# Altium PCB VAMoS Rev D.PcbDoc (part 1 of 4) (continued)
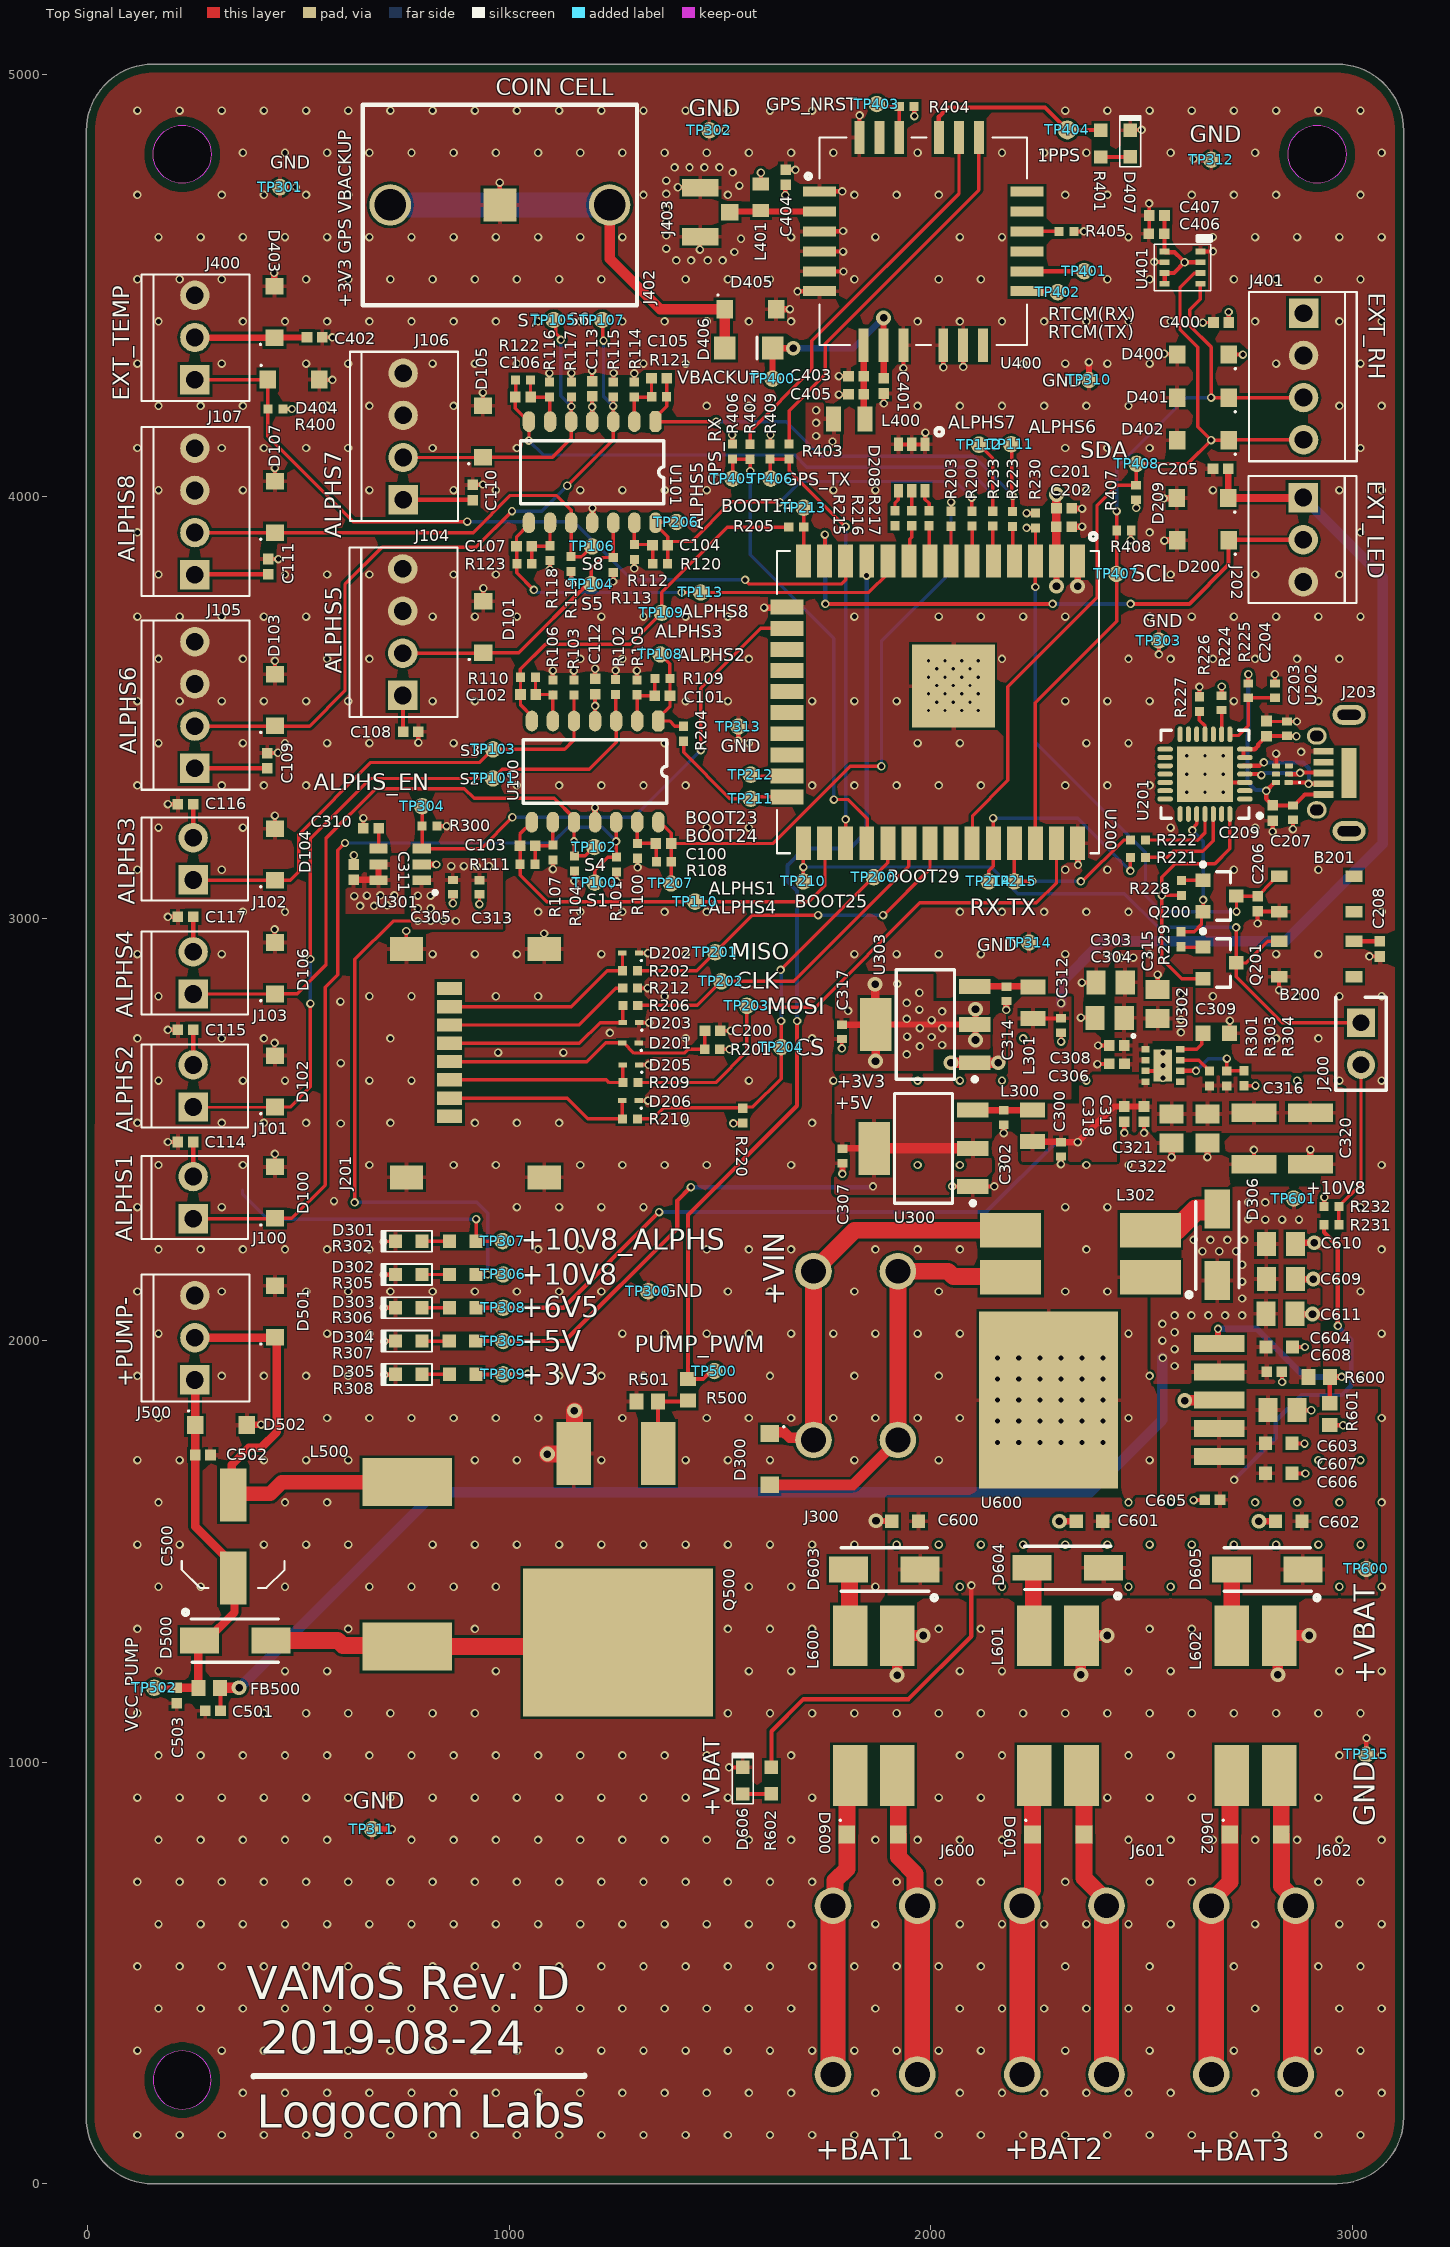
[diagram p0: Top Signal Layer view]
## Components (designator, comment, footprint, x,y, rotation, side; value= is the part's Value field where it differs from the comment)
B200 "Button C&K PTS815 SJG 250 SMTR LFS" "PTS 815" 2914.85,2904.08 r0 top
B201 "Button C&K PTS815 SJG 250 SMTR LFS" "PTS 815" 2914.85,3058.08 r0 top
C100 "4.7uF" CAPC1005X06N 1366.29,3177.67 r0 top value=100nF
C101 "4.7uF" CAPC1005X06N 1363.65,3528.19 r0 top value=100nF
C102 "4.7uF" CAPC1005X06N 1045.28,3531.06 r180 top value=100nF
C103 "4.7uF" CAPC1005X06N 1044.14,3172.25 r180 top value=100nF
C104 "4.7uF" CAPC1005X06N 1358.35,3885.15 r0 top value=100nF
C105 "4.7uF" CAPC1005X06N 1356,4281.17 r0 top value=100nF
C106 "4.7uF" CAPC1005X06N 1033.28,4236.48 r180 top value=100nF
C107 "4.7uF" CAPC1005X06N 1035.9,3882.32 r180 top value=100nF
C108 "4.7uF" CAPC1005X06N 767,3443 r180 top value=100nF
C109 "4.7uF" CAPC1005X06N 427,3374.11 r270 top value=100nF
C110 "4.7uF" CAPC1005X06N 914,4010.11 r270 top value=100nF
C111 "4.7uF" CAPC1005X06N 429,3834.11 r270 top value=100nF
C112 "4.7uF" CAPC1005X06N 1204,3550.11 r270 top value=100nF
C113 "4.7uF" CAPC1005X06N 1197,4256 r270 top value=100nF
C114 "4.7uF" CAPC1005X06N 233,2470 r0 top value=100nF
C115 "4.7uF" CAPC1005X06N 233,2736 r0 top value=100nF
C116 "4.7uF" CAPC1005X06N 233,3271 r0 top value=100nF
C117 "4.7uF" CAPC1005X06N 233,3004 r0 top value=100nF
C200 "4.7uF" CAPC1005X06N 1482.88,2733.83 r0 top value=100nF
C201 "CAP: GENERAL" CAPC1005X06N 2316.28,3972.39 r180 top value=10u
C202 "4.7uF" CAPC1005X06N 2316,3929 r0 top value=100nF
C203 "4.7uF" C1005[0402] 2844.85,3450.08 r270 top value=4u7
C204 "4.7uF" CAPC1005X06N 2795.85,3450.15 r90 top value=100nF
C205 "4.7uF" CAPC1005X06N 2687.11,4066 r180 top value=100nF
C206 "4.7uF" CAPC1005X06N 2774.85,3034.97 r270 top value=100nF
C207 "4.7uF" C1005[0402] 2858.85,3251.08 r90 top value=4u7
C208 "4.7uF" CAPC1005X06N 3064.85,2928.08 r270 top value=100nF
C209 "4.7uF" CAPC1005X06N 2810.85,3250.08 r270 top value=100nF
C300 "4.7uF" C1005[0402] 2308.53,2452.65 r90 top value=4u7
C302 "4.7uF" C1005[0402] 2173,2528.07 r90 top value=4u7
C303 "" CAPC2012X14N 2426.58,2848.7 r180 top value=22u
C304 "" CAPC2012X14N 2424.16,2764.5 r180 top value=22u
C305 "4.7uF" C1005[0402] 866.85,3074.15 r90 top value=4u7
C306 "4.7uF" CAPC1005X06N 2441.12,2655.24 r180 top value=100nF
C307 "4.7uF" C1005[0402] 1790.68,2436.89 r90 top value=4u7
C308 "4.7uF" CAPC1005X06N 2440.85,2698.86 r180 top value=15n
C309 "3.3nF" C1608[0603] 2676.85,2727.86 r180 top value=3n3
C310 "4.7uF" CAPC1005X06N 672.74,3214.08 r180 top value=DNP
C311 "4.7uF" CAPC1005X06N 632,3110 r90 top value=100nF
C312 "4.7uF" C1005[0402] 2308.98,2746.25 r90 top value=4u7
C313 "4.7uF" C1005[0402] 929.85,3074.08 r90 top value=4u7
C314 "4.7uF" C1005[0402] 2179.13,2821.43 r90 top value=4u7
C315 "" CAPC2012X14N 2537.8,2797.52 r90 top value=22u
C316 "4.7uF" C3225[1210]_Tall 2766.15,2478.62 r270 top value=100u
C317 "4.7uF" C1005[0402] 1788.98,2731.18 r90 top value=4u7
C318 "4.7uF" CAPC1005X06N 2458.85,2536.08 r270 top value=100nF
C319 "4.7uF" CAPC1005X06N 2505.46,2536.08 r270 top value=15n
C320 "4.7uF" C3225[1210]_Tall 2900.01,2478.62 r270 top value=100u
C321 "" CAPC2012X14N 2571.2,2502.24 r270 top value=22u
C322 "" CAPC2012X14N 2655.91,2502.24 r270 top value=22u
C400 "4.7uF" CAPC1005X06N 2688.32,4413 r0 top value=1u
C401 "4.7uF" CAPC1005X06N 1888.54,4262.91 r90 top value=1u
C402 "4.7uF" CAPC1005X06N 539,4378 r180 top value=1u
C403 "4.7uF" CAPC1005X06N 1823.1,4286.09 r0 top value=1u
C404 "4.7uF" CAPC1005X06N 1656.25,4757.39 r90 top value=1u
C405 "4.7uF" CAPC1005X06N 1823.1,4243.09 r0 top value=100nF
C406 "4.7uF" CAPC1005X06N 2535.08,4623.63 r0 top value=100nF
C407 "4.7uF" CAPC1005X06N 2535.98,4666.89 r0 top value=100nF
C500 "EEE-1HA470XAP" "Panasonic S-V D8" 346,1535 r0 top
C501 "4.7uF" CAPC1005X06N 297.89,1121.7 r180 top value=100nF
C502 "4.7uF" CAPC1005X06N 274,1728 r0 top value=100nF
C503 "4.7uF" CAPC1005X06N 212,1157.59 r270 top value=100nF
C600 "1uF" "C1608[0603] small" 1939.24,1570.65 r0 top value=1u
C601 "1uF" "C1608[0603] small" 2376.25,1570.65 r0 top value=1u
C602 "1uF" "C1608[0603] small" 2848.69,1570.65 r0 top value=1u
C603 "" CAPC2012X14N 2833.93,1834.43 r0 top value=22u
C604 "1uF" "C1608[0603] small" 2826.06,1984.03 r180 top value=1u
C605 "4.7uF" CAPC1005X06N 2667.59,1621.83 r180 top value=100nF
C606 "1uF" "C1608[0603] small" 2825.07,1684.82 r180 top value=1u
C607 "1uF" "C1608[0603] small" 2825.07,1755.69 r180 top value=1u
C608 "4.7uF" CAPC1005X06N 2814.24,1924.98 r0 top value=100nF
C609 "" CAPC2012X14N 2829.99,2145.45 r0 top value=22u
C610 "" CAPC2012X14N 2829.99,2228.13 r0 top value=22u
C611 "" CAPC2012X14N 2829.01,2062.77 r0 top value=22u
D100 "5V TVS" "NXP PTVSxS1UR-Series (SOD123W)" 445,2350 r90 top
D101 "5V TVS" "NXP PTVSxS1UR-Series (SOD123W)" 939,3691 r90 top
D102 "5V TVS" "NXP PTVSxS1UR-Series (SOD123W)" 445,2614 r90 top
D103 "5V TVS" "NXP PTVSxS1UR-Series (SOD123W)" 445,3518 r90 top
D104 "5V TVS" "NXP PTVSxS1UR-Series (SOD123W)" 445,3152 r90 top
D105 "5V TVS" "NXP PTVSxS1UR-Series (SOD123W)" 938,4155 r90 top
D106 "5V TVS" "NXP PTVSxS1UR-Series (SOD123W)" 445,2882 r90 top
D107 "5V TVS" "NXP PTVSxS1UR-Series (SOD123W)" 445,3976 r90 top
D200 "5V TVS" "NXP PTVSxS1UR-Series (SOD123W)" 2645,3897 r180 top
D201 "ESD7951ST5GOSCT-ND" SODFL100X40-2N 1288,2705 r180 top
D202 "ESD7951ST5GOSCT-ND" SODFL100X40-2N 1288.27,2918 r180 top
D203 "ESD7951ST5GOSCT-ND" SODFL100X40-2N 1289.27,2753 r180 top
D205 "ESD7951ST5GOSCT-ND" SODFL100X40-2N 1289,2653 r180 top
D206 "ESD7951ST5GOSCT-ND" SODFL100X40-2N 1288,2568 r180 top
D208 "VLMRGB6112" VLMRGB6112 1955,4069 r90 top
D209 "5V TVS" "NXP PTVSxS1UR-Series (SOD123W)" 2644,3997 r180 top
D300 "12V TVS" "NXP PTVSxS1UR-Series (SOD123W)" 1618,1718 r270 top
D301 "SMLE12BC7TT86" LED_0603 762.35,2234.81 r180 top
D302 "LED Green" LED_0603 762.35,2155.87 r180 top
D303 "LED Green" LED_0603 762.35,2076.94 r180 top
D304 "LED Green" LED_0603 762.35,1998 r180 top
D305 "LED Green" LED_0603 762.35,1919.06 r180 top
D306 "MURA260T3G" "Diode SMA DIOM5226X240N" 2679.4,2226.16 r90 top
D400 "3.3V TVS" "NXP PTVSxS1UR-Series (SOD123W)" 2645.32,4337 r180 top
D401 "3.3V TVS" "NXP PTVSxS1UR-Series (SOD123W)" 2645,4235 r180 top
D402 "3.3V TVS" "NXP PTVSxS1UR-Series (SOD123W)" 2645,4134 r180 top
D403 "3.3V TVS" "NXP PTVSxS1UR-Series (SOD123W)" 444,4438 r90 top
D404 "3.3V TVS" "NXP PTVSxS1UR-Series (SOD123W)" 489,4278 r0 top
D405 "3.3V TVS" "NXP PTVSxS1UR-Series (SOD123W)" 1572.16,4444.71 r0 top
D406 "1N4148W-FDICT-ND" SOD-123FL_TVS 1568.16,4352.71 r0 top
D407 "LED Green" LED_0603 2473,4837.75 r90 top
D500 "MURA260T3G" "Diode SMA DIOM5226X240N" 351,1288 r0 top
D501 "12V TVS" "NXP PTVSxS1UR-Series (SOD123W)" 445,2068 r90 top
D502 "12V TVS" "NXP PTVSxS1UR-Series (SOD123W)" 317,1799 r0 top
D600 "12V TVS" "NXP PTVSxS1UR-Series (SOD123W)" 1862.12,828.26 r0 top
D601 "12V TVS" "NXP PTVSxS1UR-Series (SOD123W)" 2302.12,828.26 r0 top
D602 "12V TVS" "NXP PTVSxS1UR-Series (SOD123W)" 2770.12,828.26 r0 top
D603 "MURA260T3G" "Diode SMA DIOM5226X240N" 1890.03,1456.47 r180 top
D604 "MURA260T3G" "Diode SMA DIOM5226X240N" 2325.07,1460.41 r180 top
D605 "MURA260T3G" "Diode SMA DIOM5226X240N" 2797.51,1456.47 r180 top
D606 "LED Green" LED_0603 1554,955.76 r90 top
FB500 "BKP1608HS121-T" RESC1608X06N 289,1175.7 r0 top
J100 "22-23-2021" 22-23-2021 251.06,2338 r90 top
J101 "22-23-2021" 22-23-2021 251.06,2602.92 r90 top
J102 "22-23-2021" 22-23-2021 251.06,3141.45 r90 top
J103 "22-23-2021" 22-23-2021 251.06,2870.98 r90 top
J104 "22-23-2041" 22-23-2041 748,3679 r90 top
J105 "22-23-2041" 22-23-2041 255,3506 r90 top
J106 "22-23-2041" 22-23-2041 749,4143 r90 top
J107 "22-23-2041" 22-23-2041 255,3965 r90 top
J200 "PRPC002SAAN-RC" "HDR_1x2_0.100\"" 3020,2753 r270 top
J201 "472192001" SD-47219-001 859.28,2660.73 r270 top
J202 "22-23-2031" 22-23-2031 2883,3898 r270 top
J203 "UJ2-MIBH2-4" UJ2-MIBH2-4-SMT 2930.83,3293.9 r180 top
J300 "1790283" "5.08MM 2POS TERMBLOCK" 1821.93,1963.56 r180 top
J400 "22-23-2031" 22-23-2031 255,4377.57 r90 top
J401 "22-23-2041" 22-23-2041 2884,4285 r270 top
J402 "Keystone 2997" "2997 11.6MM COIN CELL" 978.35,4691.83 r180 top
J403 "uFL Connector" CONUFL001-SMD-T 1463.34,4674.72 r90 top
J500 "22-23-2031" 22-23-2031 255,2006 r90 top
J600 "1790283" "5.08MM 2POS TERMBLOCK" 1868.12,459.26 r180 top
J601 "1790283" "5.08MM 2POS TERMBLOCK" 2316.62,459.26 r180 top
J602 "1790283" "5.08MM 2POS TERMBLOCK" 2765.12,459.26 r180 top
L300 "MH2029" L2012[0805] 2241.53,2508.65 r90 top
L301 "MH2029" L2012[0805] 2242.13,2800.54 r90 top
L302 "CM3421Y600R-10" CM3421Y600R-10 2355,2205 r0 top
L400 "MH2029" L2012[0805] 1807.1,4184.09 r0 top
L401 "33nH" L1608[0603] 1597.2,4710.15 r90 top value=33n
L500 "7447709471" "WE-PD 1210" 758.29,1468.65 r180 top value=470u
L600 "CM3421Y600R-10" CM3421Y600R-10 1864.44,1133.64 r90 top
L601 "CM3421Y600R-10" CM3421Y600R-10 2301.45,1133.64 r90 top
L602 "CM3421Y600R-10" CM3421Y600R-10 2769.95,1133.64 r90 top
Q200 "SS8050-G" ONSC-SOT-23-3-318-08_V 2684.85,3053.08 r0 top
Q201 "SS8050-G" ONSC-SOT-23-3-318-08_V 2684.85,2894.76 r0 top
Q500 "IRL540SPBF" D2PAK 1253.29,1388.65 r270 top
R100 "1K0" RESC1005X03N 1305.01,3160.43 r90 top value=1k
R101 "4R99" RESC1005X03N 1255.01,3127.72 r90 top
R102 "4R99" RESC1005X03N 1252.86,3548.51 r270 top
R103 "4R99" RESC1005X03N 1154,3548 r270 top
R104 "4R99" RESC1005X03N 1155.01,3130.72 r90 top
R105 "1K0" RESC1005X03N 1303.65,3548.19 r270 top value=1k
R106 "1K0" RESC1005X03N 1103.84,3547.65 r270 top value=1k
R107 "1K0" RESC1005X03N 1104.48,3156.7 r90 top value=1k
R108 "22K" RESC1005X03N 1367.01,3134.43 r0 top value=22k
R109 "22K" RESC1005X03N 1363.65,3569.19 r0 top value=22k
R110 "22K" RESC1005X03N 1045,3572 r180 top value=22k
R111 "22K" RESC1005X03N 1044.14,3128.5 r180 top value=22k
R112 "1K0" RESC1005X03N 1297.24,3869.15 r90 top value=1k
R113 "4R99" RESC1005X03N 1247.24,3838.15 r90 top
R114 "1K0" RESC1005X03N 1297,4254.17 r270 top value=1k
R115 "4R99" RESC1005X03N 1247.17,4254 r270 top
R116 "1K0" RESC1005X03N 1096,4254 r270 top value=1k
R117 "4R99" RESC1005X03N 1148,4254 r270 top
R118 "1K0" RESC1005X03N 1097.24,3866.15 r90 top value=1k
R119 "4R99" RESC1005X03N 1147.24,3840.15 r90 top
R120 "22K" RESC1005X03N 1358.35,3841.23 r0 top value=22k
R121 "22K" RESC1005X03N 1356,4237.17 r0 top value=22k
R122 "22K" RESC1005X03N 1033.28,4277 r180 top value=22k
R123 "22K" RESC1005X03N 1036.24,3841.15 r180 top value=22k
R200 "RES: GENERAL" RESC1005X03N 2098,3948 r90 top value=0R
R201 "RES: GENERAL" RESC1005X03N 1481.88,2689.83 r180 top value=0R
R202 "RES: GENERAL" RESC1005X03N 1286.98,2876 r180 top value=0R
R203 "RES: GENERAL" RESC1005X03N 2048,3947.72 r90 top value=0R
R204 "RES: GENERAL" RESC1005X03N 1413.85,3438.08 r90 top value=0R
R205 "RES: GENERAL" RESC1005X03N 1681,3928 r180 top value=0R
R206 "RES: GENERAL" RESC1005X03N 1287.58,2794 r180 top value=0R
R209 "RES: GENERAL" RESC1005X03N 1288,2611 r180 top value=0R
R210 "RES: GENERAL" RESC1005X03N 1287,2525 r180 top value=0R
R212 "RES: GENERAL" RESC1005X03N 1287.27,2835 r0 top value=0R
R215 "1K0" RESC1005X03N 1915,3949 r90 top value=1k
R216 "3K16" RESC1005X03N 1955,3949 r90 top value=3k16
R217 "4K53" RESC1005X03N 1996,3949 r90 top value=4k53
R220 "10K" RESC1005X03N 1554.14,2532.47 r270 top value=10k
R221 "RES: GENERAL" RESC1005X03N 2491,3145 r180 top value=0R
R222 "RES: GENERAL" RESC1005X03N 2491,3186 r180 top value=0R
R223 "RES: GENERAL" RESC1005X03N 2194,3947 r270 top value=0R
R224 "22k1" R1005[0402] 2752.68,3540.08 r270 top
R225 "47k5" R1005[0402] 2815.85,3540.08 r270 top
R226 "10K" R1005[0402] 2689.68,3511.08 r270 top value=2k
R227 "RES: GENERAL" RESC1005X03N 2636.85,3508.08 r90 top value=DNP
R228 "RES: GENERAL" RESC1005X03N 2594.85,3072.08 r270 top value=10k
R229 "RES: GENERAL" RESC1005X03N 2592.85,2950.8 r90 top value=10k
R230 "RES: GENERAL" RESC1005X03N 2248.28,3943.39 r270 top value=10k
R231 "RES: GENERAL" RESC1005X03N 2950,2274 r0 top value=6k98
R232 "RES: GENERAL" RESC1005X03N 2950,2317.31 r180 top value=2k1
R233 "RES: GENERAL" RESC1005X03N 2147,3948 r270 top value=0R
R300 "RES: GENERAL" RESC1005X03N 811.57,3219.04 r0 top value=10k
R301 "100K" RESC1005X03N 2660.85,2620.86 r270 top value=100k
R302 "1.2K" "R1608[0603] small" 890.35,2234.81 r0 top
R303 "71K5" RESC1005X03N 2701.85,2620.86 r270 top
R304 "10K" RESC1005X03N 2742.85,2621.14 r90 top value=10k
R305 "1.2K" "R1608[0603] small" 890.35,2156.06 r0 top
R306 "560" "R1608[0603] small" 890.35,2077.06 r0 top
R307 "560" "R1608[0603] small" 889.85,1998.06 r0 top
R308 "330" "R1608[0603] small" 890.35,1919.06 r0 top value=330R
R400 "RES: GENERAL" RESC1005X03N 446,4208 r0 top value=10k
R401 "330" "R1608[0603] small" 2403,4837.25 r90 top value=330R
R402 "10K" RESC1005X03N 1571.52,4106.67 r90 top value=470R
R403 "10K" RESC1005X03N 1664.17,4107 r90 top value=470R
R404 "10K" RESC1005X03N 1942.89,4925.3 r0 top value=10k
R405 "10K" RESC1005X03N 2322.1,4629.09 r180 top value=10k
R406 "10K" RESC1005X03N 1529.77,4107.22 r90 top value=10k
R407 "10K" R1005[0402] 2487,4010.07 r270 top value=2k
R408 "10K" R1005[0402] 2458,3920 r0 top value=2k
R409 "10K" RESC1005X03N 1619.17,4107 r90 top value=10k
R500 "RES: GENERAL" RESC1608X06N 1424.29,1882.65 r90 top value=0R
R501 "RES: GENERAL" RESC1608X06N 1327.7,1854.65 r0 top value=100k
R600 "RES: GENERAL" RESC1608X06N 2921,1913 r0 top value=53k6
R601 "RES: GENERAL" RESC1608X06N 2946,1825 r270 top value=6k98
R602 "1.2K" "R1608[0603] small" 1622,956 r90 top
TP100 "PAD" TP_SMD_39MIL 1202.85,3085.08 r0 top
TP101 "PAD" TP_SMD_39MIL 962,3332 r0 top
TP102 "PAD" TP_SMD_39MIL 1202.01,3169.43 r0 top
TP103 "PAD" TP_SMD_39MIL 962,3401 r0 top
TP104 "PAD" TP_SMD_39MIL 1194.85,3793.08 r0 top
TP105 "PAD" TP_SMD_39MIL 1106,4419 r0 top
TP106 "PAD" TP_SMD_39MIL 1196.85,3882.08 r0 top
TP107 "PAD" TP_SMD_39MIL 1221,4419 r0 top
TP108 "PAD" TP_SMD_39MIL 1359,3626 r90 top
TP109 "PAD" TP_SMD_39MIL 1362,3725 r90 top
TP110 "PAD" TP_SMD_39MIL 1441,3040 r90 top
TP111 "PAD" TP_SMD_39MIL 2190.38,4124.38 r90 top
TP112 "PAD" TP_SMD_39MIL 2114.38,4123.38 r90 top
TP113 "PAD" TP_SMD_39MIL 1455,3773 r90 top
TP200 "PAD" TP_SMD_39MIL 1865,3098 r90 top
TP201 "PAD" TP_SMD_39MIL 1489,2920 r90 top
TP202 "PAD" TP_SMD_39MIL 1503.25,2851 r90 top
TP203 "PAD" TP_SMD_39MIL 1564,2793 r0 top
TP204 "PAD" TP_SMD_39MIL 1645,2695 r90 top
TP206 "PAD" TP_SMD_39MIL 1397,3940 r90 top
TP207 "PAD" TP_SMD_39MIL 1384,3083 r90 top
TP210 "PAD" TP_SMD_39MIL 1698,3088 r90 top
TP211 "PAD" TP_SMD_39MIL 1573,3284 r90 top
TP212 "PAD" TP_SMD_39MIL 1573,3341 r90 top
TP213 "PAD" TP_SMD_39MIL 1699,3974 r180 top
TP214 "PAD" TP_SMD_39MIL 2137,3088 r90 top
TP215 "PAD" TP_SMD_39MIL 2198,3088 r90 top
TP300 "PAD" TP_SMD_39MIL 1329.85,2116.08 r90 top
TP301 "PAD" TP_SMD_39MIL 457,4734 r180 top
TP302 "PAD" TP_SMD_39MIL 1475,4869 r180 top
TP303 "PAD" TP_SMD_39MIL 2540.85,3659.08 r90 top
TP304 "PAD" TP_SMD_39MIL 793.85,3266.08 r90 top
TP305 "PAD" TP_SMD_39MIL 985.85,1998.06 r270 top
TP306 "PAD" TP_SMD_39MIL 985.85,2156.06 r180 top
TP307 "PAD" TP_SMD_39MIL 984.85,2235.06 r90 top
TP308 "PAD" TP_SMD_39MIL 985.85,2077.06 r180 top
TP309 "PAD" TP_SMD_39MIL 985.85,1919.06 r270 top
TP310 "PAD" TP_SMD_39MIL 2375,4277 r90 top
TP311 "PAD" TP_SMD_39MIL 675,841 r90 top
TP312 "PAD" TP_SMD_39MIL 2665,4799 r90 top
TP313 "PAD" TP_SMD_39MIL 1544,3455 r90 top
TP314 "PAD" TP_SMD_39MIL 2233,2943 r90 top
TP315 "PAD" TP_SMD_39MIL 3032.35,1018 r90 top
TP400 "PAD" TP_SMD_39MIL 1625,4280 r0 top
TP401 "PAD" TP_SMD_39MIL 2363.85,4534.83 r90 top
TP402 "PAD" TP_SMD_39MIL 2301.1,4485.09 r90 top
TP403 "PAD" TP_SMD_39MIL 1872.1,4931.09 r90 top
TP404 "PAD" TP_SMD_45MIL 2323.8,4869.69 r90 top
TP405 "PAD" TP_SMD_39MIL 1530,4043 r180 top
TP406 "PAD" TP_SMD_39MIL 1620.17,4043 r270 top
TP407 "PAD" TP_SMD_39MIL 2440,3817 r90 top
TP408 "PAD" TP_SMD_39MIL 2488,4078 r90 top
TP500 "PAD" TP_SMD_39MIL 1487,1927 r90 top
TP502 "PAD" TP_SMD_39MIL 159,1176 r90 top
TP600 "PAD" TP_SMD_39MIL 3032.35,1457.64 r90 top
TP601 "PAD" TP_SMD_39MIL 2861,2336 r90 top
U100 "LMH6644MAX/NOPB" SOIC-14 1199.01,3348.4 r270 top
U101 "LMH6644MAX/NOPB" SOIC-14 1192.24,4058.15 r270 top
U200 "ESP32-WROOM-32U" ESP32-WROOM-32U 2017.05,3513.05 r270 top
U201 "CP2102N-A01-GQFN28R" QFN50P500X500X80_HS-29N 2650.14,3342.29 r180 top
U202 "TPD4S012DRYR" DRY0006A 2833.85,3342.08 r180 top
U300 "ZLDO1117G50TA" SOT230P700X165-4N 1982.68,2455 r180 top
U301 "TPS22810DBVR" SOT23 741.85,3128.08 r180 top
U302 "TPS82140" SIL0008D 2550.19,2651.47 r0 top
U303 "ZLDO1117QG33TA" SOT230P700X165-4N 1987.13,2748.54 r180 top
U400 "XA1100" XA1100 1982.26,4605.44 r0 top
U401 "BME280" BME280 2596.93,4543.19 r0 top
U600 "NCP57302DSADJR4G" D2PAK-5 2608.54,1858.05 r0 top

## Footprints (in the part's own frame and the unit in brackets; to place one, negate y for a bottom-side part, rotate by r counter-clockwise, add the part's x,y. Pads: shape width x height; smd on the part's side, far side on the other; paste and mask are expansions set on the pad)
"5.08MM 2POS TERMBLOCK" [mm]
  round 2.2 hole 1.5: 1(-2.54,5.08) 1(-2.54,-5.08) 2(2.54,5.08) 2(2.54,-5.08)
  body extent -6.55,-7.65 3.61,8.55, height 12.82
22-23-2021 [mm]
  rect 1.77x1.77 hole 1.07: 1(-1.27,0)
  round 1.77 hole 1.07: 2(1.27,0)
  silkscreen extent -2.5,-3.3 2.5,3.1, body extent -2.46,-3.25 2.46,3.1, height 10.68
22-23-2031 [mm]
  rect 1.77x1.77 hole 1.07: 1(-2.54,0)
  round 1.77 hole 1.07: 2(0,0) 3(2.54,0)
  silkscreen extent -3.83,-3.3 3.8,3.2, body extent -3.73,-3.25 3.73,3.1, height 10.68
22-23-2041 [mm]
  rect 1.77x1.77 hole 1.07: 1(-3.81,0)
  round 1.77 hole 1.07: 2(-1.27,0) 3(1.27,0) 4(3.81,0)
  silkscreen extent -5.1,-3.3 5.1,3.2, body extent -5,-3.25 5,3.1, height 10.68
"2997 11.6MM COIN CELL" [mm] "2997 11.6mm COIN CELL HOLDER KEYSTONE"
  round 2.5 hole 1.9: 1(-6.605,0) 1(6.605,0)
  rect 1.99x1.99 smd: 2(0,0)
  silkscreen extent -8.26,-6.03 8.26,6.03, body extent -8.26,-5.97 8.26,5.97, height 8.2
BME280 [mm] "Bosch Humidity, Pressure Sensor"
  rect 0.6x0.35 smd mask+0.051: 1(1.075,0.975) 2(1.075,0.325) 3(1.075,-0.325) 4(1.075,-0.975) 5(-1.075,-0.975) 6(-1.075,-0.325) 7(-1.075,0.325) 8(-1.075,0.975)
  silkscreen extent -1.7,-1.4 1.7,1.9, body extent -1.25,-1.25 1.25,1.25, height 1
C1005[0402] [mm] "Capacitor 1005(0402)"
  rect 0.5x0.6 smd: 1(-0.43,0) 2(0.43,0)
  body extent -0.5,-0.3 0.5,0.3, height 0.55
C1608[0603] [mm] "3DModel=0805.ogl"
  rect 0.9x0.95 smd: 1(-0.8,0) 2(0.8,0)
  body extent -0.8,-0.4 0.8,0.4, height 0.5
"C1608[0603] small" [mm] "3DModel=0805.ogl"
  rect 0.8x0.8 smd: 1(-0.8,0) 2(0.8,0)
  body extent -0.8,-0.4 0.8,0.4, height 0.5
C3225[1210]_Tall [mm]
  rect 1.1x2.7 smd: 1(-1.55,0) 2(1.55,0)
  body extent -1.6,-1.2 1.6,1.3, height 2.5
CAPC1005X06N [mm] "Chip Capacitor, 2-Leads, Body 1.00x0.50mm, IPC Medium Density"
  rect 0.64x0.64 smd: 1(-0.46,0) 2(0.46,0)
  body extent -0.55,-0.3 0.55,0.3, height 0.6
CAPC2012X14N [mm] "Chip Capacitor, 2-Leads, Body 2.00x1.25mm, IPC Medium Density (0805)"
  rect 1.15x1.45 smd: 1(-0.875,0) 2(0.875,0)
  body extent -1.1,-0.72 1.1,0.72, height 1.45
CM3421Y600R-10 [mm]
  rect 3.66x2.08 smd: 1(-4.21,1.42) 2(-4.21,-1.42) 3(4.21,-1.42) 4(4.21,1.42)
  body extent -4.8,-2.8 4.8,2.8, height 3.8
CONUFL001-SMD-T [mm] "uFL Connector"
  rect 1.05x2.2 smd: GND(-1.475,0.25) GND(1.475,0.25)
  rect 1x1.05 smd: SIG(0,-1.525)
  body extent -1.5,-1.55 1.5,1.55, height 1.25
D2PAK [mm] "D-PAK, 4-Leads, Body 6.1x6.6mm, Pitch 2.28mm, Lead Span 10mm, IPC Low Density"
  rect 3.81x2.08 smd: 1(-8.712,2.54) 3(-8.712,-2.54)
  rect 8.89x11.43 smd: 2(2.675,0.125)
  body extent -9.54,-5.08 5.72,5.08, height 5.03
D2PAK-5 [mil]
  rect 120.08x40 smd: 1(75,-134.02) 2(75,-67.01) 3(75,0) 4(75,67.01) 5(75,134.02)
  round 20 hole 12: 6(-450,-100) 6(-450,-50) 6(-450,0) 6(-450,50) 6(-450,100) 6(-400,-100) 6(-400,-50) 6(-400,0) 6(-400,50) 6(-400,100) 6(-350,-100) 6(-350,-50) 6(-350,0) 6(-350,50) 6(-350,100) 6(-300,-100) 6(-300,-50) 6(-300,0) 6(-300,50) 6(-300,100) 6(-250,-100) 6(-250,-50) 6(-250,0) 6(-250,50) 6(-250,100) 6(-200,-100) 6(-200,-50) 6(-200,0) 6(-200,50) 6(-200,100)
  rect 329.92x419.69 smd: 6(-329.06,0)
  body extent -464,-202 118,202, height 180
"Diode SMA DIOM5226X240N" [mm] "Diode SMA"
  rect 2.35x1.55 smd: 1(-2.15,0) 2(2.15,0)
  silkscreen extent -3.15,-1.3 2.6,1.85, body extent -2.6,-1.3 2.6,1.3, height 2.4
DRY0006A [mm] "SON, 6-Leads, Body 1.45x1mm, Pitch 0.5mm"
  rrect33% 0.52x0.3 smd: 1(-0.37,0.5)
  rrect33% 0.49x0.3 smd: 2(-0.385,0) 3(-0.385,-0.5) 4(0.385,-0.5) 5(0.385,0) 6(0.385,0.5)
  silkscreen extent -1.08,0.45 -0.98,0.55, body extent -0.5,-0.72 0.5,0.72, height 0.6
ESP32-WROOM-32U [mm]
  rect 2x0.9 smd: 1(-8.5,8.41) 2(-8.5,7.14) 3(-8.5,5.87) 4(-8.5,4.6) 5(-8.5,3.33) 6(-8.5,2.06) 7(-8.5,0.79) 8(-8.5,-0.48) 9(-8.5,-1.75) 10(-8.5,-3.02) 11(-8.5,-4.29) 12(-8.5,-5.56) 13(-8.5,-6.83) 14(-8.5,-8.1) 25(8.5,-8.1) 26(8.5,-6.83) 27(8.5,-5.56) 28(8.5,-4.29) 29(8.5,-3.02) 30(8.5,-1.75) 31(8.5,-0.48) 32(8.5,0.79) 33(8.5,2.06) 34(8.5,3.33) 35(8.5,4.6) 36(8.5,5.87) 37(8.5,7.14) 38(8.5,8.41)
  rect 0.9x2 smd: 15(-5.715,-9.1) 16(-4.445,-9.1) 17(-3.175,-9.1) 18(-1.905,-9.1) 19(-0.635,-9.1) 20(0.635,-9.1) 21(1.905,-9.1) 22(3.175,-9.1) 23(4.445,-9.1) 24(5.715,-9.1)
  round 0.4 hole 0.2: 39(-2.5,1.425) 39(-2.5,2.425) 39(-2.5,-0.575) 39(-2.5,0.425) 39(-2,1.925) 39(-2,-0.075) 39(-2,0.925) 39(-1.5,2.425) 39(-1.5,1.425) 39(-1.5,0.425) 39(-1.5,-0.575) 39(-1,1.925) 39(-1,0.925) 39(-1,-0.075) 39(-0.5,2.425) 39(-0.5,1.425) 39(-0.5,0.425) 39(-0.5,-0.575) 39(0,1.925) 39(0,0.925) 39(0,-0.075) 39(0.5,2.425) 39(0.5,1.425) 39(0.5,0.425) 39(0.5,-0.575)
  rect 5x5 smd: 39(-0.96,0.93)
  silkscreen extent -10.18,-9.7 9.1,9.7, body extent -9,-9.6 9,9.6, height 3.3
"HDR_1x2_0.100\"" [mm]
  rect 1.7x1.7 / inner round 1.7 / far side rect 1.7x1.7 hole 1: 1(0,0)
  round 1.7 hole 1: 2(2.54,0)
  silkscreen extent -1.52,-1.52 4.06,1.52, body extent -1.27,-1.27 3.81,1.27, height 7.62
L1608[0603] [mm]
  rect 0.8x1 smd: 1(-0.8,0) 2(0.8,0)
  body extent -0.8,-0.4 0.8,0.4, height 0.8
L2012[0805] [mm]
  rect 0.9x1.5 smd: 1(-0.95,0) 2(0.95,0)
  body extent -1.1,-0.7 1.1,0.7, height 0.9
LED_0603 [mm]
  rect 0.8x0.8 smd: 1(-0.8,0) 2(0.8,0)
  silkscreen extent -1.4,-0.64 1.65,0.64, body extent -0.8,-0.4 0.8,0.4, height 0.55
"NXP PTVSxS1UR-Series (SOD123W)" [mm] "TVS Diode"
  rect 1x1.1 smd: 1(-1.55,0) 2(1.55,0)
  silkscreen extent -2,0.8 -1.9,0.9, body extent -1.4,-0.95 1.4,0.95, height 1.1
ONSC-SOT-23-3-318-08_V [mm] "SOT23, 3-Leads, Body 2.92x1.3mm, Pitch 0.95mm"
  rect 0.9x0.8 smd: 1(-1,0.95) 2(-1,-0.95) 3(1,0)
  silkscreen extent -1.12,-1.46 0.65,2.02, body extent -0.65,-1.46 0.65,1.46, height 1.11
"Panasonic S-V D8" [mm]
  rect 1.6x3.2 smd: 1(0,-2.5) 2(0,2.5)
  silkscreen extent -3.1,-3.1 3.1,-1.5, body extent -3.15,-3.15 3.15,3.15, height 7.7
"PTS 815" [mm] "Small Surface Mount Button"
  rect 1x0.7 smd mask+0.051: 1(-2.25,1.075) 2(2.25,1.075) 3(-2.25,-1.075) 4(2.25,-1.075)
  body extent -2.25,-1.6 2.25,1.6, height 2.5
QFN50P500X500X80_HS-29N [mm] "QFN, 28-Leads, Body 5.00x5.00mm, Pitch 0.50mm, Thermal Pad 3.25x3.25mm, IPC Medium Density"
  oval 0.95x0.3 smd: 1(-2.4,1.5) 2(-2.4,1) 3(-2.4,0.5) 4(-2.4,0) 5(-2.4,-0.5) 6(-2.4,-1) 7(-2.4,-1.5) 15(2.4,-1.5) 16(2.4,-1) 17(2.4,-0.5) 18(2.4,0) 19(2.4,0.5) 20(2.4,1) 21(2.4,1.5)
  oval 0.3x0.95 smd: 8(-1.5,-2.4) 9(-1,-2.4) 10(-0.5,-2.4) 11(0,-2.4) 12(0.5,-2.4) 13(1,-2.4) 14(1.5,-2.4) 22(1.5,2.4) 23(1,2.4) 24(0.5,2.4) 25(0,2.4) 26(-0.5,2.4) 27(-1,2.4) 28(-1.5,2.4)
  rect 3.35x3.35 smd mask+0.051: 29(0,0)
  silkscreen extent -3.42,-2.65 2.65,2.65, body extent -2.5,-2.5 2.5,2.5, height 0.8
R1005[0402] [mm] "Resistor 1005[0402]"
  rect 0.5x0.6 smd: 1(-0.43,0) 2(0.43,0)
  body extent -0.5,-0.3 0.5,0.3, height 0.4
"R1608[0603] small" [mm]
  rect 0.8x0.8 smd: 1(-0.8,0) 2(0.8,0)
  body extent -0.8,-0.4 0.8,0.4, height 0.5
RESC1005X03N [mm] "Chip Resistor, 2-Leads, Body 1.00x0.50mm, IPC Medium Density"
  rect 0.55x0.55 smd: 1(-0.45,0) 2(0.45,0)
  body extent -0.53,-0.28 0.53,0.28, height 0.35
RESC1608X06N [mm] "Chip Resistor, 2-Leads, Body 1.60x0.85mm, IPC Medium Density"
  rect 0.85x0.95 smd: 1(-0.65,0) 2(0.65,0)
  body extent -0.87,-0.48 0.87,0.48, height 0.55
SD-47219-001 [mm] "Molex microSD Card Holder"
  rect 0.8x1.5 smd: 1(3.3,0) 2(2.2,0) 3(1.1,0) 4(0,0) 5(-1.1,0) 6(-2.2,0) 7(-3.3,0) 8(-4.4,0)
  rect 1.45x2 smd: 9(-6.78,-2.6) 10(-6.78,5.7) 11(6.97,5.7) 12(6.97,-2.6)
  body extent -7.05,-5.6 7.55,8.9, height 1.06
SIL0008D [mm] "TPS82140 Buck Converter"
  rect 0.5x0.4 smd: 1(-1.05,0.975) 2(-1.05,0.325) 3(-1.05,-0.325) 4(-1.05,-0.975) 5(1.05,-0.975) 6(1.05,-0.325) 7(1.05,0.325) 8(1.05,0.975)
  round 0.5 hole 0.3: 3(0,-0.75) 3(0,0) 3(0,0.75)
  rect 1.1x1.9 smd: 3(0,0)
  silkscreen extent -1.88,1.68 -1.68,1.88, body extent -1.45,-1.55 1.45,1.55, height 1.53
SOD-123FL_TVS [mm]
  rect 1.3x1.4 smd mask+0.051: 1(-1.45,0) 2(1.45,0)
  silkscreen extent 0.5,-0.65 0.5,0.65, body extent -1.5,-1 1.5,1, height 1
SODFL100X40-2N [mm] "SODFL, 2-Leads, Body 0.60x1.00mm, IPC Medium Density"
  rect 0.5x0.3 smd: 1(-0.5,0) 2(0.5,0)
  silkscreen extent -0.7,0.4 -0.6,0.5, body extent -0.42,-0.33 0.43,0.33, height 0.4
SOIC-14 [mil]
  oct 49.21x29.53 smd: 1(-120,155)
  oval 49.21x29.53 smd: 2(-120,105) 3(-120,55) 4(-120,5) 5(-120,-45) 6(-120,-95) 7(-120,-145) 8(120,-145) 9(120,-95) 10(120,-45) 11(120,5) 12(120,55) 13(120,105) 14(120,155)
  silkscreen extent -75,-165 75,175, body extent -125,-165 125,175, height 60
SOT23 [mm]
  rect 1.1x0.6 smd: 1(-1.3,0.95) 2(-1.3,0) 3(-1.3,-0.95) 4(1.3,-0.95) 5(1.3,0) 6(1.3,0.95)
  silkscreen extent -2.2,1.59 -2,1.79, body extent -0.9,-1.5 0.9,1.5, height 1.45
SOT230P700X165-4N [mm] "SOT223, 4-Leads, Body 6.50x7.00mm (avg), Pitch 2.30mm, IPC Medium Density"
  rect 1.9x0.9 smd: 1(-2.975,2.3) 2(-2.975,0) 3(-2.975,-2.3)
  rect 1.9x3.2 smd: 2(2.975,0)
  silkscreen extent -3.1,-3.3 1.75,3.42, body extent -3.5,-3.27 3.5,3.27, height 1.65
TP_SMD_39MIL [mil] "SMD Test Point"
  round 39 smd paste-23.62: 1(0,0)
TP_SMD_45MIL [mil] "SMD Test Point"
  round 45 smd paste-23.62: 1(0,0)
UJ2-MIBH2-4-SMT [mm] "USB MICRO-B Jack"
  oval 2x1.2 hole 0.6 slot 1.4 at 0 deg: 0(-1.55,2.2) 0(-1.55,-4.8)
  oval 1.2x1.05 hole 0.65 slot 0.8 at 0 deg: 0(0.4,0.925) 0(0.4,-3.525)
  rect 1.2x0.4 smd: 1(0,0) 2(0,-0.65) 3(0,-1.3) 4(0,-1.95) 5(0,-2.6)
  rect 0.9x3 smd: 9(-1.55,-1.3)
  body extent -4.75,-5 0.55,2.5, height 0.81
VLMRGB6112 [mm]
  rect 0.8x0.55 smd mask+0.051: 1(1.4,-0.8) 2(1.4,0) 3(1.4,0.8) 4(-1.4,0.8) 5(-1.4,0) 6(-1.4,-0.8)
  silkscreen extent 1.94,-1.87 2.38,-1.43, body extent -1.6,-1.4 1.6,1.4, height 1.45
"WE-PD 1210" [mm] "Wurth SMT Inductor"
  rect 5.4x2.9 smd: 1(0,4.95) 2(0,-4.95)
  body extent -6,-6 6,6, height 9.26
XA1100 [mm] "GPS Module"
  rect 2x0.6 smd: 1(-6.25,3) 2(-6.25,1.8) 3(-6.25,0.6) 4(-6.25,-0.6) 5(-6.25,-1.8) 6(-6.25,-3) 13(6.25,-3) 14(6.25,-1.8) 15(6.25,-0.6) 16(6.25,0.6) 17(6.25,1.8) 18(6.25,3)
  rect 0.6x2 smd: 7(-3.6,-6.25) 8(-2.4,-6.25) 9(-1.2,-6.25) 10(1.2,-6.25) 11(2.4,-6.25) 12(3.6,-6.25) 19(3.35,6.25) 20(2.15,6.25) 21(0.95,6.25) 22(-1.45,6.25) 23(-2.65,6.25) 24(-3.85,6.25)
  silkscreen extent -7.07,-6.25 6.25,6.25, body extent -6.25,-6.25 6.25,6.25, height 7

## Part data
B200 B201: "Push Button Top", Manufacturer="C&K Components", Manufacturer Part Number="PTS815 SJG 250 SMTR LFS", Supplier Part Number 1=CKN12217-1-ND, ComponentLink1Description=http://datasheet.octopart.com/PTS815-SJG-250-SMTR-LFS-C%26K-Components-datasheet-130077068.pdf?src-supplier=Allied+Electronics, ComponentLink1URL=http://datasheet.octopart.com/PTS815-SJG-250-SMTR-LFS-C%26K-Components-datasheet-130077068.pdf?src-supplier=Allied+Electronics, Supplier 1=Digi-Key
C100 C101 C102 C103 C104 C105 C106 C107 C108 C109 C110 C111 C112 C113 C114 C115 C116 C117 C200 C202 C204 C205 C206 C208 C209 C306 C311 C318 C405 C406 C407 C501 C502 C503 C605 C608: library part 4.7uF_0603_10V, Manufacturer=Samsung, Manufacturer Part Number=CL05A104KA5NNNC, Supplier Part Number 1=1276-1043-1-ND, Voltage=25V, ComponentLink1Description=http://www.murata.com/~/media/webrenewal/support/library/catalog/products/capacitor/mlcc/c02e.pdf, ComponentLink1URL=http://www.murata.com/~/media/webrenewal/support/library/catalog/products/capacitor/mlcc/c02e.pdf, Supplier 1=Digi-Key
C201: "Capacitor", Manufacturer=Samsung, Manufacturer Part Number=CL05A106MP8NUB8, Supplier Part Number 1=1276-6830-1-ND, Voltage=10V, Supplier 1=Digi-Key
C203 C207: library part 4.7uF_0402_10V, "Cap,4.7uF,10V,20%,X5R,0402", Manufacturer="Samsung Electro-Mechanics", Manufacturer Part Number=CL05A475MO5NUNC, Supplier Part Number 1=1276-6836-1-ND, Voltage=16V, Supplier 1=Digi-Key
C300 C302 C305 C307 C312 C313 C314 C317: library part 4.7uF_0402_16V, "Cap,4.7uF,16V,20%,X5R,0402", Manufacturer="Samsung Electro-Mechanics", Manufacturer Part Number=CL05A475MO5NUNC, Supplier Part Number 1=1276-6836-1-ND, Voltage=16V, Supplier 1=Digi-Key
C303 C304 C315 C321 C322 C603 C609 C610 C611: library part 4.7uF_0603_10V, Manufacturer=Murata, Manufacturer Part Number=GRM21BR61E226ME44K, Supplier Part Number 1=490-14661-1-ND, Voltage=25V, ComponentLink1Description=http://www.murata.com/~/media/webrenewal/support/library/catalog/products/capacitor/mlcc/c02e.pdf, ComponentLink1URL=http://www.murata.com/~/media/webrenewal/support/library/catalog/products/capacitor/mlcc/c02e.pdf, Supplier 1=Digi-Key
C308 C319: library part 4.7uF_0603_10V, Manufacturer=Samsung, Manufacturer Part Number=CL05B153KO5NNNC, Supplier Part Number 1=1276-1524-1-ND, Voltage=16V, ComponentLink1Description=http://www.murata.com/~/media/webrenewal/support/library/catalog/products/capacitor/mlcc/c02e.pdf, ComponentLink1URL=http://www.murata.com/~/media/webrenewal/support/library/catalog/products/capacitor/mlcc/c02e.pdf, Supplier 1=Digi-Key
C309: library part 3.3nF_0603_50V, "Cap,3.3nF,50V,10%,X7R,0603", Manufacturer=Samsung, Manufacturer Part Number=CL10B332KB8NNNC, Supplier Part Number 1=1276-1758-1-ND, Voltage=50V, Supplier 1=Digi-Key
C310: library part 4.7uF_0603_10V, Manufacturer=N/A, ComponentLink1Description=http://www.murata.com/~/media/webrenewal/support/library/catalog/products/capacitor/mlcc/c02e.pdf, ComponentLink1URL=http://www.murata.com/~/media/webrenewal/support/library/catalog/products/capacitor/mlcc/c02e.pdf, Manufacturer Part Number=N/A, Supplier 1=N/A, Supplier Part Number 1=N/A, Voltage=N/A
C316 C320: library part 4.7uF_0603_10V, Manufacturer=Murata, Manufacturer Part Number=GRM32ER61A107ME20L, Supplier Part Number 1=490-9969-1-ND, Voltage=10V, ComponentLink1Description=http://www.murata.com/~/media/webrenewal/support/library/catalog/products/capacitor/mlcc/c02e.pdf, ComponentLink1URL=http://www.murata.com/~/media/webrenewal/support/library/catalog/products/capacitor/mlcc/c02e.pdf, Supplier 1=Digi-Key
C400 C401 C402 C403 C404: library part 4.7uF_0603_10V, "CAP 4.7uF 10V ±10% X5R 0603", Manufacturer=Samsung, Manufacturer Part Number=CL05A105MP5NNNC, Supplier Part Number 1=1276-1448-1-ND, Voltage=10V, ComponentLink1Description=http://www.murata.com/~/media/webrenewal/support/library/catalog/products/capacitor/mlcc/c02e.pdf, ComponentLink1URL=http://www.murata.com/~/media/webrenewal/support/library/catalog/products/capacitor/mlcc/c02e.pdf, Supplier 1=Digi-Key
C500: "CAP ALUM 47UF 20% 50V SMD", Manufacturer=Panasonic, Supplier Part Number 1=PCE4622CT-ND, Manufacturer Part Number=EEE-1HA470XAP, Supplier 1=Digi-Key
C600 C601 C602 C604 C606 C607: library part 1uF_0603_25V, "CAP 1µF 25V ±10% X7R 0603", Capacitance="1 µF", Case Size/Dimension=0603, Dielectric=X7R, Manufacturer=Samsung, Manufacturer Part Number=CL10B105KA8NNNC, Supplier Part Number 1=1276-1184-1-ND, Tolerance (%)="±10 %", Voltage="25 V", ComponentLink1Description=https://datasheet.ciiva.com/16449/cl10b105ka8nnnc-16449544.pdf, ComponentLink1URL=https://datasheet.ciiva.com/16449/cl10b105ka8nnnc-16449544.pdf, ComponentLink2Description=https://datasheet.ciiva.com/15195/getdatasheetpartid-359554-15195726.pdf, ComponentLink2URL=https://datasheet.ciiva.com/15195/getdatasheetpartid-359554-15195726.pdf, Pricing 1="1=0.1, 10=0.069, 100=0.0307, 500=0.0219, 1000=0.0172 (USD)", Stock 1=622934, Supplier 1=Digi-Key, TZOA PN=211-00001
D100 D101 D102 D103 D104 D105 D106 D107 D200 D209: library part "NXP PTVSxS1UR-Series", Manufacturer=Nexperia, Manufacturer Part Number=PTVS5V0S1UR,115, Supplier Part Number 1=1727-5229-1-ND, Supplier 1=Digi-Key
D201 D202 D203 D205 D206: library part ESD7951S, "TVS Diode", Manufacturer="ON Semiconductor", Manufacturer Part Number=ESD7951ST5G, Supplier 1=Digi-Key, Supplier Part Number 1=ESD7951ST5GOSCT-ND
D208: "LED RGB Clear 624nm/526nm/469nm 2V/3.1V/3V PLCC-6", Manufacturer="Vishay Semiconductor Opto Division", Manufacturer Part Number=VLMRGB6112-00-GS08, Supplier Part Number 1=VLMRGB6112-00-GS08CT-ND, Supplier 1=Digi-Key, TZOA PN=250-00002
D300 D501 D502 D600 D601 D602: library part "NXP PTVSxS1UR-Series", Manufacturer=Nexperia, Manufacturer Part Number=PTVS12VS1UR,115, Supplier Part Number 1=1727-5325-1-ND, Supplier 1=Digi-Key
D301: "LED Blue Diffused 0603", Color=Blue, Forward (Drive) Current="5 mA", Forward Voltage="2.2 V", Manufacturer=Rohm, Supplier Part Number 1=511-1589-1-ND, ComponentLink1Description=https://datasheet.ciiva.com/11774/0900766b80df3ada-11774260.pdf, ComponentLink1URL=https://datasheet.ciiva.com/11774/0900766b80df3ada-11774260.pdf, ComponentLink2Description=https://datasheet.ciiva.com/3161/sml-d1-3161419.pdf, ComponentLink2URL=https://datasheet.ciiva.com/3161/sml-d1-3161419.pdf, ComponentLink3Description=https://datasheet.ciiva.com/2110/sml-d1-2110396.pdf, ComponentLink3URL=https://datasheet.ciiva.com/2110/sml-d1-2110396.pdf, ComponentLink4Description=https://datasheet.ciiva.com/2110/sml-d1-2110397.pdf, ComponentLink4URL=https://datasheet.ciiva.com/2110/sml-d1-2110397.pdf, ComponentLink5Description=https://datasheet.ciiva.com/2110/sml-d1-2110398.pdf, ComponentLink5URL=https://datasheet.ciiva.com/2110/sml-d1-2110398.pdf, Dimension=0603, Manufacturer Part Number=SMLE12BC7TT86, Supplier 1=Digi-Key
D302 D303 D304 D305 D407 D606: library part "Green LED", "LED Green Diffused 0603", Color=Green, Forward (Drive) Current="20 mA", Forward Voltage="2.2 V", Manufacturer=Rohm, Manufacturer Part Number=SML-D12M8WT86, Supplier Part Number 1=511-1578-1-ND, ComponentLink1Description=https://datasheet.ciiva.com/11774/0900766b80df3ada-11774260.pdf, ComponentLink1URL=https://datasheet.ciiva.com/11774/0900766b80df3ada-11774260.pdf, ComponentLink2Description=https://datasheet.ciiva.com/3161/sml-d1-3161419.pdf, ComponentLink2URL=https://datasheet.ciiva.com/3161/sml-d1-3161419.pdf, ComponentLink3Description=https://datasheet.ciiva.com/2110/sml-d1-2110396.pdf, ComponentLink3URL=https://datasheet.ciiva.com/2110/sml-d1-2110396.pdf, ComponentLink4Description=https://datasheet.ciiva.com/2110/sml-d1-2110397.pdf, ComponentLink4URL=https://datasheet.ciiva.com/2110/sml-d1-2110397.pdf, ComponentLink5Description=https://datasheet.ciiva.com/2110/sml-d1-2110398.pdf, ComponentLink5URL=https://datasheet.ciiva.com/2110/sml-d1-2110398.pdf, Dimension=0603, Intensity="100 mcd", Lens Type=Diffused, Pricing 1="1=0.34, 10=0.251, 25=0.1848, 100=0.132, 250=0.0898, 500=0.0792, 1000=0.062 (USD)", Stock 1=105158, Supplier 1=Digi-Key, TZOA PN=XXX
  D302 D303 D304 D305 D606: Digikey PN=511-1578-1-ND
D306 D500 D603 D604 D605: "Diode Standard 600V 2A Surface Mount SMA", Manufacturer="ON Semi", Package=SMA, Supplier Part Number 1=MURA260T3GOSCT-ND, Manufacturer Part Number=MURA260T3G, Properties=2A/600V, Supplier 1=Digi-Key
D400 D401 D402 D403 D404 D405: library part "NXP PTVSxS1UR-Series", Manufacturer=Nexperia, Manufacturer Part Number=PTVS3V3S1UTR,115, Supplier Part Number 1=1727-1416-1-ND, Supplier 1=Digi-Key
D406: library part "Diode 300mA Gen Purp", "300mA General Purpose", Manufacturer="Diodes Incorporated", Manufacturer Part Number=1N4148W-7-F, Supplier 1=Digi-Key, Supplier Part Number 1=1N4148W-FDICT-ND
FB500: "120 Ohms @ 100MHz 1 Power Line Ferrite Bead 0603 (1608 Metric) 2.7A 35mOhm", Manufacturer="Taiyo Yuden", Supplier Part Number 1=587-1923-1-ND, Manufacturer Part Number=BKP1608HS121-T, Supplier 1=Digi-Key
J100 J101 J102 J103: "CONN HEADER VERT 2POS 2.54MM", Manufacturer=Molex, Supplier Part Number 1=WM4200-ND, Manufacturer Part Number=22-23-2021, Supplier 1=Digi-Key
J104 J105 J106 J107 J401: "Connector Header Through Hole 4 position 0.100\" (2.54mm)", Manufacturer=Molex, Manufacturer Part Number=0022232041, Supplier Part Number 1=WM4202-ND, Supplier 1=Digi-Key
J200: "CONN HEADER VERT 2POS 2.54MM", Manufacturer=Sullins, Package=T/H, Supplier Part Number 1=S1011EC-02-ND, Manufacturer Part Number=PRPC002SAAN-RC, Pitch="0.100\"", Properties=1x2, Supplier 1=Digi-Key
J201: library part CON12, Manufacturer=Molex, Manufacturer Part Number=0472192001, Supplier Part Number 1=WM6698CT-ND, Supplier 1=Digi-Key
J202 J400 J500: "Connector Header Through Hole 3 position 0.100\" (2.54mm)", Manufacturer=Molex, Manufacturer Part Number=0022232031, Supplier Part Number 1=WM4201-ND, Supplier 1=Digi-Key
J203: library part "USB Shield", Manufacturer=CUI, Manufacturer Part Number=UJ2-MIBH2-4-SMT-TR, Supplier Part Number 1=102-4007-1-ND, Supplier 1=Digi-Key
J300 J600 J601 J602: library part "TERM BLOCK 2POS 45DEG 5.08MM", "5.08mm Spring Cage, Tension Clamp, Pheonix Contact, 2pos, THD", Manufacturer="Phoenix Contact", Supplier Part Number 1=277-6722-ND, Manufacturer Part Number=1790283, Supplier 1=Digi-Key
J402: library part "30mm Coin Cell Holder", "DigiKey # 36-2997-ND", Manufacturer="Keystone Electronics", Manufacturer Part Number=2997, Supplier Part Number 1=36-2997-ND, Supplier 1=Digi-Key
J403: library part "uFl Connector", "CONUFL001-SMD-T", Manufacturer="Linx Technologies", Supplier Part Number 1=CONUFL001-SMD-TCT-ND, Manufacturer Part Number=CONUFL001-SMD-T, Supplier 1=Digi-Key
L300 L301 L400: library part Ferrite_MH2029_0805, "Ferrite,SMD,3A,30Ohm,0805", Current Rating (Max)=3A, DC Resistance (DCR) (Max)="25 mOhm", Impedance @ Frequency="30 Ohm @ 100MHz", Manufacturer="Bourns Inc.", Manufacturer Part Number=MH2029-300Y, Operating Temperature="-55°C ~ 125°C", Package / Case="0805 (2012 Metric)", Package Quantity=1, Ratings=-, Supplier Part Number 1=MH2029-300YCT-ND, Category=Filters, ComponentLink1Description=http://www.bourns.com/docs/Product-Datasheets/mh.pdf, ComponentLink1URL=http://www.bourns.com/docs/Product-Datasheets/mh.pdf, ComponentLink2Description=https://www.arrow.com/en/products/mh2029-300y/bourns/, ComponentLink2URL=https://www.arrow.com/en/products/mh2029-300y/bourns/, Filter Type="Power, Signal Line", Height (Max)="0.043\" (1.10mm)", ID=1851582, Mounting Type="Surface Mount", Number of Lines=1, Packaging="Cut Tape (CT)", Pricing="1=0.14, 10=0.087, 25=0.08, 50=0.072, 100=0.0529, 250=0.03844, 500=0.03524, 1000=0.03043 (CAD)", RoHS="RoHS Compliant", Size / Dimension="0.079\" L x 0.047\" W (2.00mm x 1.20mm)", Stock=27744, Supplier 1=Digi-Key, Supplier 2=Arrow, Supplier Part Number 2=m2dWQtYZmUCQVruAmfTV4mDHm8tZpH9KPPdphe4ib-E
L302 L600 L601 L602: "2 Line Common Mode Choke Surface Mount 60 Ohms @ 100MHz 15A DCR 0.75mOhm", Manufacturer=Laird, Supplier Part Number 1=240-2501-1-ND, Manufacturer Part Number=CM3421Y600R-10, Supplier 1=Digi-Key
L401: library part Inductor_33nH, "Fixed Inductor,SMD,33nH,550mA,132mOhmDCR,2.5GHz,0603", Manufacturer=Murata, Manufacturer Part Number=LQW18AN33NJ10D, Supplier Part Number 1=490-6885-1-ND, Supplier 1=Digi-Key
L500: "470µH Shielded Wirewound Inductor 1.4A 560mOhm Max Nonstandard", Manufacturer="Wurth Electronics", Supplier Part Number 1=732-1699-1-ND, Manufacturer Part Number=7447709471, Supplier 1=Digi-Key
Q200 Q201: library part CMP-1048-00571-1, "General Purpose Transistor, NPN Silicon, 3-Pin SOT-23, Tape and Reel", Manufacturer="Comchip Technology", Supplier Part Number 1=641-1790-1-ND, ComponentLink1Description="Manufacturer URL", ComponentLink1URL=http://www.onsemi.com/, ComponentLink2Description=Datasheet, ComponentLink2URL=http://www.onsemi.cn/pub_link/Collateral/MMBT2222LT1-D.PDF, ComponentLink3Description="Package Specification", ComponentLink3URL=http://www.onsemi.cn/pub_link/Collateral/318-08.PDF, Manufacturer Part Number=SS8050-G, Supplier 1=Digi-Key
Q500: "MOSFET N-CH 100V 28A D2PAK", Manufacturer="Vishay Siliconix", Supplier Part Number 1=IRL540SPBF-ND, Manufacturer Part Number=IRL540SPBF, Supplier 1=Digi-Key
R100 R105 R106 R107 R112 R114 R116 R118 R215: library part 1K00_0603_0.1W, "RES 1K Ohm ±5%, 0.25W,1/4W 0603", Manufacturer=Panasonic, Manufacturer Part Number=ERJ-2RKF1001X, Supplier Part Number 1=P1.00KLCT-ND, ComponentLink1Description=https://datasheet.ciiva.com/2469/esr-2469603.pdf, ComponentLink1URL=https://datasheet.ciiva.com/2469/esr-2469603.pdf, ComponentLink2Description=https://datasheet.ciiva.com/2469/esr-2469604.pdf, ComponentLink2URL=https://datasheet.ciiva.com/2469/esr-2469604.pdf, ComponentLink3Description=https://datasheet.ciiva.com/2469/esr-2469605.pdf, ComponentLink3URL=https://datasheet.ciiva.com/2469/esr-2469605.pdf, Supplier 1=Digi-Key
R101 R102 R103 R104 R113 R115 R117 R119: library part 4R99_0603_1/4W, "Res,SMD,4R99,1/4W,5%", Manufacturer=Stackpole, Manufacturer Part Number=RMCF0402FT4R99, Supplier Part Number 1=RMCF0402FT4R99CT-ND, Supplier 1=Digi-Key
R108 R109 R110 R111 R120 R121 R122 R123: library part 22K_0603_1/4W, "Res,SMD,22k,0603,5%,1/4W", Manufacturer=Panasonic, Manufacturer Part Number=ERJ-2RKF2202X, Supplier Part Number 1=P22.0KLDKR-ND, Supplier 1=Digi-Key
R200 R201 R202 R203 R204 R205 R206 R209 R210 R212 R221 R222 R223 R233: Manufacturer=Panasonic, Manufacturer Part Number=ERJ-2GE0R00X, Supplier Part Number 1=P0.0JCT-ND, Distributor=Digi-Key, Supplier 1=Digi-Key